# Altium PCB IC_LAB_test.PcbDoc (part 6 of 8)
Units mil, origin at the board's own origin, x right, y up, seen from the top; angles counter-clockwise.
Board outline 9750.75 x 5353.06 mil, 2 copper layers (Top Layer, Bottom Layer); 164 components, 0 nets, 5989 pads, 3214 vias.
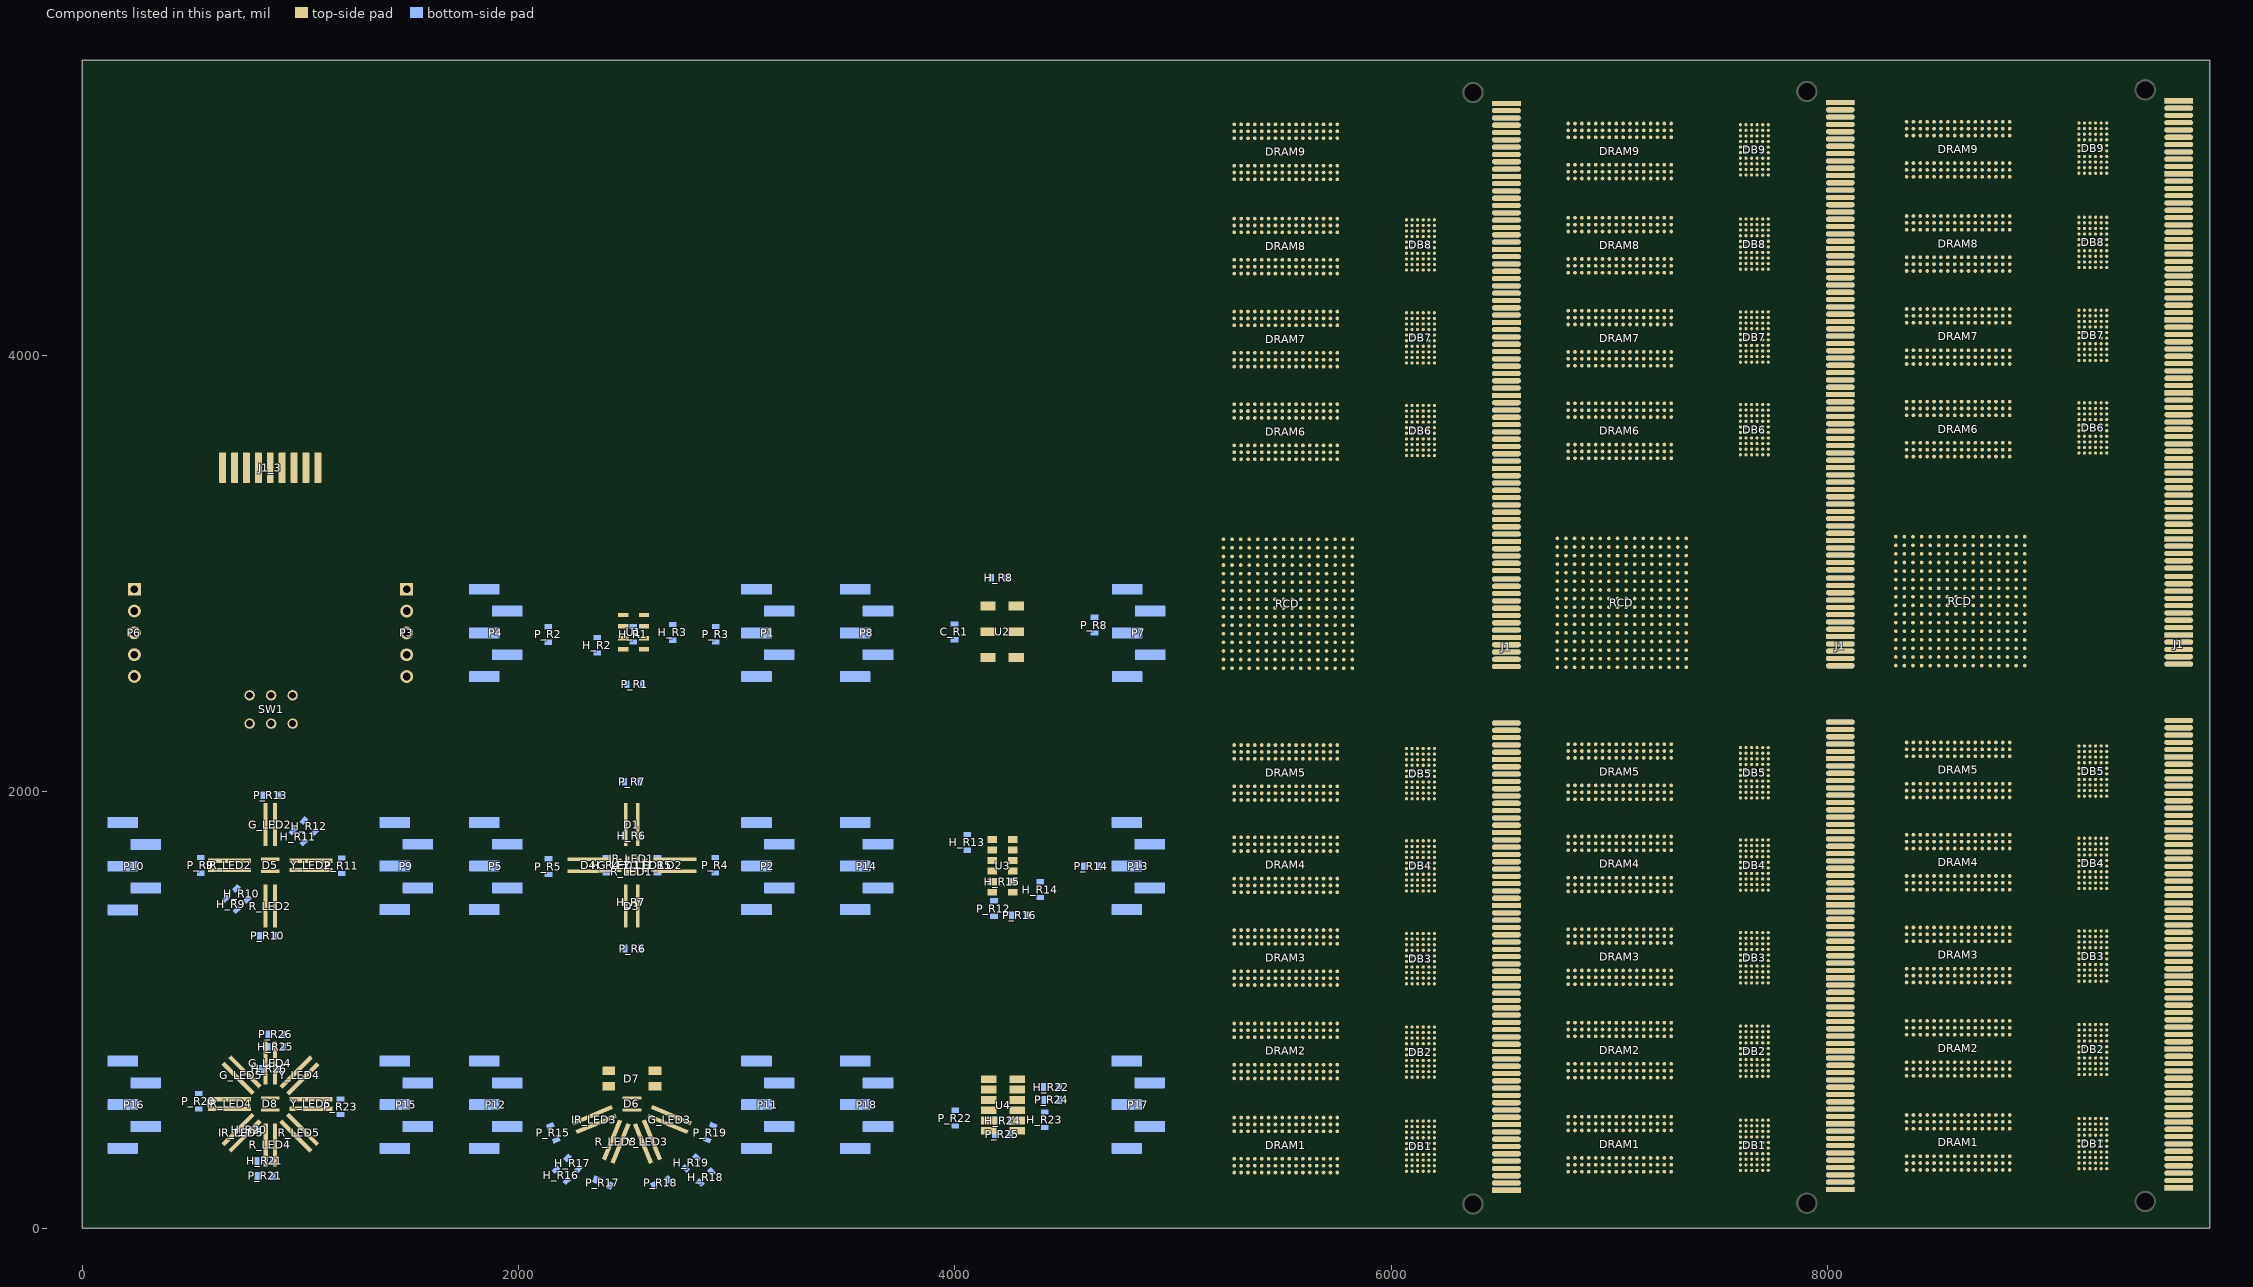
[diagram p6: the components of this part, seen from the top]

## Via types
v1: diameter 17.72, hole 8, Top Layer to Bottom Layer, 2685 vias
v2: diameter 39.37, hole 23.62, Top Layer to Bottom Layer, tented both sides, 414 vias
v3: diameter 23.62, hole 11.81, Top Layer to Bottom Layer, 52 vias
v4: diameter 23.62, hole 11.81, Top Layer to Bottom Layer, tented top, 33 vias
v5: diameter 31.5, hole 15.75, Top Layer to Bottom Layer, 21 vias
v6: diameter 137.8, hole 122.05, Top Layer to Bottom Layer, 3 vias
v7: diameter 78.74, hole 62.99, Top Layer to Bottom Layer, 3 vias
v8: diameter 39.37, hole 19.68, Top Layer to Bottom Layer, 3 vias

## Nets (pads, with @x,y where several pads share a name; then routed paths per layer and width w, separated by ;. In a path a pad name is that pad's centre, name@x,y a point inside that pad or via, vN(x,y) a via of type N, cw(c..) or ccw(c..) an arc to the next point about the centre after c; other vN are vias at no path point) (continued)
copper on no net: (continued)
  Top Layer w15.75: 238.98,2828.35 239.54,2828.35 269.85,2858.66 363.32,2858.66 690.65,3186 690.65,3477.38 698.23,3484.96 ; 238.98,2928.35 269.29,2898.03 347.01,2898.03 651.28,3202.3 651.28,3477.38 643.7,3484.96 ; 278.35,2832.28 278.91,2832.28 309.22,2862.6 402.69,2862.6 730.02,3189.93 730.02,3481.32 737.6,3488.9 ; 278.35,2932.28 308.66,2901.97 386.38,2901.97 690.65,3206.24 690.65,3481.32 683.07,3488.9 ; 732.09,2593.7 700.59,2562.2 ; 771.46,2597.64 739.96,2566.14 ; 861.81,3484.96 861.81,3251.38 896.65,3216.54 896.65,2817.32 669.09,2589.76 669.09,2404.72 716.34,2357.48 820.67,2357.48 865.94,2312.2 ; 862.01,596.46 v4(862.01,620.28) ; 865.94,2442.13 816.73,2392.91 728.15,2392.91 700.59,2420.47 700.59,2562.2 ; 901.18,3488.9 901.18,3255.32 936.02,3220.47 936.02,2821.26 708.46,2593.7 708.46,2408.66 755.71,2361.42 860.04,2361.42 905.31,2316.14 ; 901.38,600.39 901.38,624.21 ; 905.31,2446.06 856.1,2396.85 767.52,2396.85 739.96,2424.41 739.96,2566.14 ; 964.37,2312.2 964.37,2348.26 973.6,2357.48 1110.6,2357.48 1192.72,2439.6 1192.72,2620.2 v5(1193.78,2621.26) ; 964.37,2442.13 964.37,2406.08 973.6,2396.85 1094.29,2396.85 1153.35,2455.91 1153.35,2620.2 v5(1152.28,2621.26) ; 970.87,3484.96 970.87,3249.8 936.02,3214.96 936.02,2801.02 700.59,2562.2 ; 1003.74,2316.14 1003.74,2352.19 1012.97,2361.42 1149.97,2361.42 1232.09,2443.53 1232.09,2624.13 1233.15,2625.2 ; 1003.74,2446.06 1003.74,2410.01 1012.97,2400.79 1133.66,2400.79 1192.72,2459.84 1192.72,2624.13 v5@1191.65,2625.2 ; 1010.24,3488.9 1010.24,3253.74 975.39,3218.9 975.39,2804.95 739.96,2566.14 ; 1025.39,3484.96 1032.97,3477.38 1032.97,3187.96 1362.67,2858.27 1456.13,2858.27 1486.44,2827.95 1487.01,2827.95 ; 1064.76,3488.9 1072.34,3481.32 1072.34,3191.9 1402.04,2862.2 1495.5,2862.2 1525.81,2831.89 1526.38,2831.89 ; 1079.92,3484.96 1072.34,3477.38 1072.34,3204.27 1378.98,2897.64 1456.69,2897.64 1487.01,2927.95 ; 1119.29,3488.9 1111.71,3481.32 1111.71,3208.21 1418.35,2901.57 1496.06,2901.57 1526.38,2931.89 ; v3(2074.98,3016.73) v3@2075.35,3016.36 ; 2075.35,2997.05 2075.35,2950.99 2117.51,2908.84 2133.29,2908.84 2133.66,2908.46 2448.62,2908.46 2507.68,2849.41 2507.68,2837.61 2495.86,2825.79 2495.86,2812.01 2493.89,2810.04 2480.11,2810.04 ; v3@2114.35,3020.67 v3@2114.72,3020.3 ; 2114.72,3000.98 2114.72,2954.93 2156.88,2912.78 2172.66,2912.78 2173.03,2912.4 2487.99,2912.4 2547.05,2853.35 2547.05,2841.55 2535.23,2829.72 2535.23,2815.95 2533.26,2813.98 2519.48,2813.98 ; v3(3643.5,1658.46) 3911.22,1658.46 v4(4135.63,1434.06) ; 3682.87,1662.4 3950.59,1662.4 4175,1437.99 ; v3(3714.37,1945.87) 3714.37,1905.94 3768.93,1851.38 4183.43,1851.38 4198.62,1836.19 4198.62,1797.61 4189.4,1788.39 4178.94,1788.39 4171.06,1780.51 ; v3(3726.18,2976.8) 3726.18,2764.76 3726.18,2740.58 4052.39,2414.37 4183.43,2414.37 4253.74,2484.68 4253.74,2524.61 4344.29,2524.61 4415.16,2595.47 4415.16,2666.34 4348.23,2733.27 4281.3,2733.27 ; v3(3753.74,1945.87) 3753.74,1922.24 3785.24,1890.75 4199.74,1890.75 4237.99,1852.5 4237.99,1797.61 4247.22,1788.39 4257.68,1788.39 4265.55,1780.51 ; v3@3753.74,1949.8 3753.74,1909.87 3808.3,1855.32 4222.8,1855.32 4237.99,1840.13 4237.99,1801.55 4228.77,1792.32 4218.31,1792.32 4210.43,1784.45 ; v3(3765.55,2976.8) 3765.55,2756.89 4068.7,2453.74 4167.13,2453.74 4193.45,2480.06 4193.45,2514.03 4182.87,2524.61 4104.13,2524.61 4037.2,2591.54 4037.2,2682.09 4088.39,2733.27 4151.38,2733.27 ; v3@3765.55,2980.74 3765.55,2768.7 3765.55,2744.52 4091.76,2418.31 4222.8,2418.31 4293.11,2488.61 4293.11,2528.54 4383.66,2528.54 4454.53,2599.41 4454.53,2670.28 4387.6,2737.2 4320.67,2737.2 ; 3793.11,1949.8 3793.11,1926.18 3824.61,1894.69 4239.11,1894.69 4277.36,1856.43 4277.36,1801.55 4286.59,1792.32 4297.05,1792.32 4304.92,1784.45 ; 3804.92,2980.74 3804.92,2760.83 4108.07,2457.68 4206.5,2457.68 4232.82,2484 4232.82,2517.97 4222.24,2528.54 4143.5,2528.54 4076.57,2595.47 4076.57,2686.02 4127.76,2737.2 4190.75,2737.2 ; v4(4088.39,634.84) 4155.32,634.84 4165.16,625 4208.47,625 4236.02,597.44 4275.39,597.44 4285.24,587.6 ; v4(4092.32,2615.16) 4151.38,2615.16 ; v4(4096.26,2851.38) 4151.38,2851.38 v4(4151.38,2918.31) 4190.75,2957.68 4521.46,2957.68 v3(4639.57,2839.57) ; v4(4111.22,1732.48) 4171.06,1732.48 4171.06,1684.13 4265.55,1684.13 ; v4(4112.01,1587.6) 4171.06,1587.6 ; v4(4112.8,1539.57) 4171.06,1539.57 ; 4127.76,638.78 4194.69,638.78 4204.53,628.94 4247.84,628.94 4275.39,601.38 4314.76,601.38 4324.61,591.54 ; 4131.69,2619.09 4190.75,2619.09 ; 4135.63,2855.32 4190.75,2855.32 4190.75,2922.24 4230.12,2961.61 4560.83,2961.61 4678.94,2843.5 ; 4150.59,1736.42 4210.43,1736.42 4210.43,1688.07 4304.92,1688.07 ; 4151.38,1591.54 4210.43,1591.54 ; 4152.17,1543.5 4210.43,1543.5 ; 4171.06,1635.95 4265.55,1635.95 4305.54,1635.95 4329.33,1659.74 4329.33,1712.8 ; 4210.43,1639.88 4304.92,1639.88 4344.91,1639.88 4368.7,1663.67 4368.7,1716.73 ; 4265.55,1539.57 4267.19,1537.92 4323.1,1537.92 v4(4324.61,1536.42) ; 4265.55,1587.6 4265.77,1587.38 4324.82,1587.38 v4(4325.04,1587.17) ; 4265.55,1732.48 4309.65,1732.48 4329.33,1712.8 ; 4281.3,2615.16 v4(4356.1,2615.16) ; 4281.3,2851.38 4331.13,2851.38 4356.1,2876.35 v4(4356.1,2918.31) ; 4304.92,1543.5 4306.56,1541.86 4362.47,1541.86 4363.98,1540.35 ; 4304.92,1591.54 4305.14,1591.32 4364.19,1591.32 4364.41,1591.11 ; 4304.92,1736.42 4349.02,1736.42 4368.7,1716.73 ; 4320.67,2619.09 4395.47,2619.09 ; 4320.67,2855.32 4370.5,2855.32 4395.47,2880.29 4395.47,2922.24 ; v4(4352.17,1815.95) 4329.33,1793.11 4329.33,1712.8 ; 4391.54,1819.88 4368.7,1797.05 4368.7,1716.73
  Top Layer w23.62: 238.98,2528.35 238.98,2628.35 ; 278.35,2532.28 278.35,2632.28 ; 751.62,3483.83 752.76,3484.96 ; 790.99,3487.77 792.13,3488.9 ; v3(1275.59,1864.17) 1276.57,1863.19 v3(1276.57,1625.98) ; v3(1307.09,775.59) 1307.09,563.98 v5(1308.07,562.99) ; 1314.96,1868.11 1315.94,1867.13 1315.94,1629.92 ; 1346.46,779.53 1346.46,567.91 1347.44,566.93 ; v5(2073.82,1690.94) 2073.82,1581.69 2354.33,1301.18 2603.35,1301.18 2894.69,1592.52 v3(2896.65,1592.52) ; 2113.19,1694.88 2113.19,1585.63 2393.7,1305.12 2642.72,1305.12 2934.06,1596.46 2936.02,1596.46 ; v5(2652.56,1270.67) 2676.18,1270.67 2968.5,1562.99 v5(2968.5,1663.39) 2970.47,1665.35 v5(2970.47,1902.56) ; 2691.93,1274.61 2715.55,1274.61 3007.87,1566.93 3007.87,1667.32 3009.84,1669.29 3009.84,1906.5
  Top Layer w31.5: 238.98,2728.35 510.43,2728.35 v8@804.92,3022.83 ; 278.35,2732.28 549.8,2732.28 844.29,3026.77 ; 752.76,3484.96 807.28,3484.96 ; 792.13,3488.9 846.65,3488.9 ; v8@807.28,3025.2 807.28,3469.69 ; 846.65,3029.13 846.65,3473.62 ; 916.34,3484.96 916.34,3289.37 v8(917.13,3288.58) ; 955.71,3488.9 955.71,3293.31 956.5,3292.52 ; v8(1039.17,3024.8) 1336.02,2727.95 1487.01,2727.95 1485.43,2729.53 1484.65,2728.74 ; 1078.54,3028.74 1375.39,2731.89 1526.38,2731.89 1524.8,2733.46 1524.02,2732.68
  Bottom Layer w3.5: v1(5326.44,1913.24) 5326.44,2094.24 5341.44,2109.24 5341.44,2231.24 5356.44,2246.24 5356.44,2731.24 v1(5449.44,2824.24) 5448.94,2824.74 5448.94,2834.74 5314.83,2968.84 5314.83,3463.63 v1(5328.44,3477.24) ; v1(5468.44,3615.24) 5468.45,3468.17 5450.83,3450.55 5450.83,3178.84 5486.44,3143.24 v1(5486.44,3019.24) ; v1(5469.44,2053.24) 5469.44,2133.31 5487.44,2151.31 v1(5487.44,2705.24) ; v1(5485.44,1913.24) 5527.44,1955.24 v1(5527.44,2704.24) ; v1(5485.44,3477.24) 5485.44,3247.24 5527.44,3205.24 v1(5527.44,3020.24) ; v1(5595.44,225.24) v1(5595.44,656.24) 5599.05,659.84 5599.05,779.7 5596.05,782.7 5596.05,1080.63 v1(5594.44,1082.24) 5600.05,1087.84 5600.05,1283.7 5595.44,1288.31 v1(5595.44,1508.24) 5594.71,1508.97 5594.71,1930.97 v1(5594.44,1931.24) 5601.05,1937.84 5601.05,2120.55 5595.83,2125.77 5595.83,2812.63 v1(5605.44,2822.24) 5583.44,2844.24 5583.44,3461.24 5596.44,3474.24 5596.44,3494.24 v1(5595.44,3495.24) 5595.44,3496.24 5625.83,3526.63 5625.83,3615.7 5626.05,3615.92 5626.05,3886.63 v1(5595.44,3917.24) 5627.44,3949.24 5627.44,4312.24 5596.44,4343.24 v1(5595.44,4343.24) 5621.44,4369.24 5621.44,4749.24 v1(5595.44,4775.24) ; v1(5604.44,2862.24) 5604.44,2876.31 5895.76,3167.63 5895.91,3167.63 6074.08,3345.81 6525.09,3345.81 6527.44,3348.15 ; v1(5644.44,2941.24) 5644.44,2960.31 6038.44,3354.31 6294.51,3354.31 6321.82,3381.62 6527.44,3381.62 ; v1(5723.44,2784.24) 5761.44,2822.24 5887.44,2822.24 6112.18,3046.97 6527.44,3046.97 ; v1(5723.44,2861.24) 5739.44,2877.24 5778.44,2877.24 5801.44,2900.24 5831.44,2900.24 6112.03,3180.83 6527.44,3180.83 ; v1(5723.44,2900.24) 5737.37,2900.24 5891.76,3054.63 5895.91,3054.63 6089.04,3247.76 6527.44,3247.76 ; v1(5723.44,2940.24) 5723.44,2951.24 6086.89,3314.69 6527.44,3314.69 ; v1(5724.44,2823.24) 5760.05,2858.84 5853.03,2858.84 6108.08,3113.9 6527.44,3113.9 ; v1(5800.44,2782.24) 5834.44,2816.24 5912.44,2816.24 6109.71,3013.51 6527.44,3013.51 ; v1(5844.44,3048.24) 6077.43,3281.22 6527.44,3281.22 ; v1(5847.44,2970.24) 5851.59,2970.24 6095.65,3214.29 6527.44,3214.29 ; v1(5849.44,2843.24) 6086.64,3080.44 6527.44,3080.44 ; v1(5849.44,2899.24) 5849.44,2901.31 6095.5,3147.36 6527.44,3147.36 ; v1(6227.44,1761.24) 6276.44,1712.24 6527,1712.24 6527.44,1712.68 ; v1(6230.44,2184.24) 6266.83,2147.84 6527.31,2147.84 6527.44,2147.72 ; v1(6234.44,3758.24) 6309.88,3682.8 6527.44,3682.8 ; v1(6234.44,4181.24) 6297.84,4117.84 6527.44,4117.84 ; v1(6234.44,4607.24) 6288.8,4552.88 6527.44,4552.88 ; v1(6235.44,908.24) 6301.08,842.6 6527.44,842.6 ; v1(6237.44,5040.24) 6289.76,4987.92 6527.44,4987.92 ; v1(6238.44,477.24) 6308.12,407.56 6527.44,407.56 ; v1(6238.44,1347.24) 6308.04,1277.64 6527.44,1277.64 ; v1(6263.44,1930.24) 6280.21,1913.47 6527.44,1913.47 ; v1(6264.44,1977.24) 6294.75,1946.93 6527.44,1946.93 ; v1(6265.44,2030.24) 6315.28,1980.4 6527.44,1980.4 ; v1(6265.44,2080.24) 6331.82,2013.86 6527.44,2013.86 ; v1(6267.44,4879.24) 6326.08,4820.59 6527.44,4820.59 ; v1(6267.44,4930.24) 6267.44,4929.16 6342.54,4854.06 6527.44,4854.06 ; v1(6269.44,4777.24) 6293.01,4753.67 6527.44,4753.67 ; v1(6269.44,4827.24) 6309.55,4787.13 6527.44,4787.13 ; v1(6273.44,1496.24) 6291.25,1478.43 6527.44,1478.43 ; v1(6273.44,4340.24) 6295.05,4318.63 6527.44,4318.63 ; v1(6273.44,4442.24) 6330.12,4385.55 6527.44,4385.55 ; v1(6274.44,4391.24) 6313.59,4352.09 6527.44,4352.09 ; v1(6274.44,4493.24) 6300.83,4466.84 6300.83,4466.77 6309.98,4457.63 6310.05,4457.63 6348.66,4419.02 6527.44,4419.02 ; v1(6275.44,1542.24) 6305.79,1511.89 6527.44,1511.89 ; v1(6276.44,1166.24) 6276.44,1164.24 6330.44,1110.24 6527.36,1110.24 6527.44,1110.32 ; v1(6276.44,1220.24) 6352.9,1143.78 6527.44,1143.78 ; v1(6276.44,1594.24) 6325.32,1545.36 6527.44,1545.36 ; v1(6276.44,1644.24) 6341.86,1578.82 6527.44,1578.82 ; v1(6277.44,3588.24) 6350.2,3515.48 6527.44,3515.48 ; v1(6277.44,3909.24) 6303.09,3883.59 6527.44,3883.59 ; v1(6277.44,3961.24) 6321.63,3917.05 6527.44,3917.05 ; v1(6277.44,4013.24) 6340.16,3950.51 6527.44,3950.51 ; v1(6278.44,1113.24) 6314.83,1076.85 6527.44,1076.85 ; v1(6278.44,3536.24) 6332.67,3482.01 6527.44,3482.01 ; v1(6278.44,4064.24) 6358.7,3983.98 6527.44,3983.98 ; v1(6279.44,1065.24) 6301.29,1043.39 6527.44,1043.39 ; v1(6279.44,3484.24) 6315.13,3448.55 6527.44,3448.55 ; v1@6284.44,3633.24 6368.74,3548.94 6527.44,3548.94 ; v1(6287.44,195.24) 6309.37,173.31 6527.44,173.31 ; v1(6287.44,250.24) 6330.91,206.77 6527.44,206.77 ; v1(6287.44,300.24) 6347.44,240.24 6527.44,240.24 ; v1(6287.44,350.24) 6363.98,273.7 6527.44,273.7 ; v1(6287.44,781.24) 6359.94,708.74 6527.44,708.74 ; v1(6288.44,626.24) 6306.33,608.35 6527.44,608.35 ; v1(6288.44,676.24) 6290.44,676.24 6324.87,641.81 6527.44,641.81 ; v1(6288.44,728.24) 6290.44,728.24 6343.44,675.24 6527.4,675.24 6527.44,675.28 ; v1(6310.44,4908.24) 6357.44,4908.24 6378.15,4887.52 6527.44,4887.52 ; v1(6310.44,4934.24) 6379.44,4934.24 6394.44,4919.24 6525.69,4919.24 6527.44,4920.99 ; v1(6316.44,4473.24) 6363.44,4473.24 6384.19,4452.48 6527.44,4452.48 ; v1(6316.44,4498.24) 6385.44,4498.24 6399.44,4484.24 6525.73,4484.24 6527.44,4485.95 ; v1(6326.44,4039.24) 6360.44,4039.24 6382.44,4017.24 6527.23,4017.24 6527.44,4017.44 ; v1(6327.44,2069.24) 6361.44,2069.24 6384.44,2046.24 6526.35,2046.24 6527.44,2047.32 ; v1(6327.44,4067.24) 6328.05,4067.84 6384.91,4067.84 6401.51,4051.24 6527.11,4051.24 6527.44,4050.91 ; v1(6328.44,2097.24) 6400.44,2097.24 6417.44,2080.24 6526.89,2080.24 6527.44,2080.79 ; v1(6328.44,4096.24) 6369.37,4096.24 6372.98,4099.84 6385.91,4099.84 6395.05,4090.7 6395.05,4089.63 6400.3,4084.37 6527.44,4084.37 ; v1(6333.44,3610.24) 6363.51,3610.24 6391.35,3582.4 6527.44,3582.4 ; v1(6333.44,3634.24) 6396.51,3634.24 6415.51,3615.24 6526.81,3615.24 6527.44,3615.87 ; v1(6346.44,1631.24) 6375.51,1631.24 6394.51,1612.24 6527.39,1612.24 6527.44,1612.28 ; v1@6347.44,1659.24 6406.44,1659.24 6420.44,1645.24 6526.93,1645.24 6527.44,1645.75 ; v1(6354.44,1186.24) 6359.05,1190.84 6386.91,1190.84 6401.51,1176.24 6526.43,1176.24 6527.44,1177.25 ; v1(6354.44,1225.24) 6355.05,1225.84 6409.91,1225.84 6425.51,1210.24 6526.97,1210.24 6527.44,1210.71 ; v1(6354.44,4972.24) 6377.44,4972.24 6395.44,4954.24 6527.22,4954.24 6527.44,4954.45 ; v1(6355.44,5039.24) 6378.44,5039.24 6397.44,5020.24 6526.3,5020.24 6527.44,5021.38 ; v1(6357.44,786.24) 6361.05,789.84 6414.91,789.84 6429.51,775.24 6527.01,775.24 6527.44,775.67 ; v1(6358.44,759.24) 6391.44,759.24 6408.47,742.21 6527.44,742.21 ; v1(6358.44,4168.24) 6384.51,4168.24 6402.51,4150.24 6526.37,4150.24 6527.44,4151.3 ; v1(6359.44,4537.24) 6387.44,4537.24 6405.44,4519.24 6527.26,4519.24 6527.44,4519.41 ; v1(6359.44,4608.24) 6380.44,4608.24 6402.33,4586.34 6527.44,4586.34 ; v1(6360.44,2132.24) 6398.51,2132.24 6416.51,2114.24 6527.42,2114.24 ; v1(6360.44,2201.24) 6397.51,2201.24 6417.57,2181.18 6527.44,2181.18 ; v1(6362.44,325.24) 6402.44,325.24 6421.44,306.24 6526.51,306.24 6527.44,307.17 ; v1(6362.44,355.24) 6363.05,355.84 6418.91,355.84 6434.51,340.24 6527.05,340.24 6527.44,340.63 ; v1(6368.44,3728.24) 6371.05,3730.84 6398.91,3730.84 6414.51,3715.24 6526.41,3715.24 6527.44,3716.26 ; v1(6369.44,3669.24) 6400.44,3669.24 6420.44,3649.24 6527.34,3649.24 6527.44,3649.33 ; v1(6372.44,1689.24) 6376.05,1692.84 6405.83,1692.84 6420.44,1678.24 6526.46,1678.24 6527.44,1679.21 ; v1(6372.44,1777.24) 6390.44,1777.24 6423.44,1744.24 6525.53,1744.24 6527.44,1746.14 ; v1(6381.44,1260.24) 6382.05,1260.84 6408.91,1260.84 6425.58,1244.17 6527.44,1244.17 ; v1(6381.44,1329.24) 6406.51,1329.24 6424.65,1311.1 6527.44,1311.1 ; v1(6384.44,824.24) 6413.51,824.24 6431.51,806.24 6524.54,806.24 6527.44,809.13 ; v1(6384.44,892.24) 6415.51,892.24 6432.51,875.24 6526.61,875.24 6527.44,876.06 ; v1(6391.44,453.24) 6394.05,455.84 6417.91,455.84 6432.73,441.02 6527.44,441.02 ; v1(6392.44,390.24) 6395.73,393.52 6419.16,393.52 6437.44,375.24 6526.3,375.24 6527.44,374.09 ; v1(6392.44,490.24) 6417.51,490.24 6433.26,474.49 6527.44,474.49 ; v1(6404.44,5080.24) 6429.83,5054.85 6527.44,5054.85 ; v1(6407.44,4641.24) 6428.87,4619.81 6527.44,4619.81 ; v1(6413.44,2240.24) 6439.03,2214.65 6527.44,2214.65 ; v1(6415.44,4207.24) 6437.91,4184.77 6527.44,4184.77 ; v1(6418.44,3775.24) 6443.95,3749.73 6527.44,3749.73 ; v1(6420.44,1804.24) 6445.07,1779.61 6527.44,1779.61 ; v1(6426.44,1370.24) 6452.11,1344.57 6527.44,1344.57 ; v1(6427.44,932.24) 6450.15,909.53 6527.44,909.53 ; v1(6856.87,1917.17) 6856.87,2098.17 6871.87,2113.17 6871.87,2235.17 6886.87,2250.17 6886.87,2735.17 v1(6979.87,2828.17) 6979.37,2828.67 6979.37,2838.67 6845.27,2972.78 6845.27,3467.57 v1(6858.87,3481.17) ; v1(6998.87,3619.17) 6998.88,3472.1 6981.27,3454.49 6981.27,3182.78 7016.87,3147.17 v1(7016.87,3023.17) ; v1(6999.87,2057.17) 6999.87,2137.25 7017.87,2155.25 v1(7017.87,2709.17) ; v1(7015.87,1917.17) 7057.87,1959.17 v1(7057.87,2708.17) ; v1(7015.87,3481.17) 7015.87,3251.17 7057.87,3209.17 v1(7057.87,3024.17) ; v1(7125.87,229.17) v1(7125.87,660.17) 7129.48,663.78 7129.48,783.64 7126.48,786.64 7126.48,1084.57 v1(7124.87,1086.17) 7130.48,1091.78 7130.48,1287.64 7125.87,1292.25 v1(7125.87,1512.17) 7125.14,1512.91 7125.14,1934.91 v1(7124.87,1935.17) 7131.48,1941.78 7131.48,2124.49 7126.27,2129.71 7126.27,2816.57 v1(7135.87,2826.17) 7113.87,2848.17 7113.87,3465.17 7126.87,3478.17 7126.87,3498.17 v1(7125.87,3499.17) 7125.87,3500.17 7156.27,3530.57 7156.27,3619.64 7156.48,3619.86 7156.48,3890.57 v1(7125.87,3921.17) 7157.87,3953.17 7157.87,4316.17 7126.87,4347.17 v1(7125.87,4347.17) 7151.87,4373.17 7151.87,4753.17 v1(7125.87,4779.17) ; v1(7134.87,2866.17) 7134.87,2880.25 7426.19,3171.57 7426.34,3171.57 7604.52,3349.74 8055.53,3349.74 8057.87,3352.09 ; v1(7174.87,2945.17) 7174.87,2964.25 7568.87,3358.24 7824.94,3358.24 7852.25,3385.55 8057.87,3385.55 ; v1(7253.87,2788.17) 7291.87,2826.17 7417.87,2826.17 7642.61,3050.91 8057.87,3050.91 ; v1(7253.87,2865.17) 7269.87,2881.17 7308.87,2881.17 7331.87,2904.17 7361.87,2904.17 7642.47,3184.77 8057.87,3184.77 ; v1(7253.87,2904.17) 7267.8,2904.17 7422.19,3058.57 7426.34,3058.57 7619.47,3251.7 8057.87,3251.7 ; v1(7253.87,2944.17) 7253.87,2955.17 7617.33,3318.62 8057.87,3318.62 ; v1(7254.87,2827.17) 7290.48,2862.78 7383.46,2862.78 7638.52,3117.84 8057.87,3117.84 ; v1(7330.87,2786.17) 7364.87,2820.17 7442.87,2820.17 7640.14,3017.44 8057.87,3017.44 ; v1(7374.87,3052.17) 7607.86,3285.16 8057.87,3285.16 ; v1(7377.87,2974.17) 7382.02,2974.17 7626.08,3218.23 8057.87,3218.23 ; v1(7379.87,2847.17) 7617.07,3084.37 8057.87,3084.37 ; v1(7379.87,2903.17) 7379.87,2905.25 7625.93,3151.3 8057.87,3151.3 ; v1(7757.87,1765.17) 7806.87,1716.17 8057.43,1716.17 8057.87,1716.62 ; v1(7760.87,2188.17) 7797.27,2151.78 8057.75,2151.78 8057.87,2151.66 ; v1(7764.87,3762.17) 7840.31,3686.74 8057.87,3686.74 ; v1(7764.87,4185.17) 7828.27,4121.77 8057.87,4121.77 ; v1(7764.87,4611.17) 7819.23,4556.81 8057.87,4556.81 ; v1(7765.87,912.17) 7831.51,846.54 8057.87,846.54 ; v1(7767.87,5044.17) 7820.19,4991.85 8057.87,4991.85 ; v1(7768.87,481.17) 7838.55,411.5 8057.87,411.5 ; v1(7768.87,1351.17) 7838.47,1281.58 8057.87,1281.58 ; v1(7793.87,1934.17) 7810.64,1917.4 8057.87,1917.4 ; v1(7794.87,1981.17) 7825.18,1950.87 8057.87,1950.87 ; v1(7795.87,2034.17) 7845.71,1984.33 8057.87,1984.33 ; v1(7795.87,2084.17) 7862.25,2017.8 8057.87,2017.8 ; v1(7797.87,4883.17) 7856.52,4824.53 8057.87,4824.53 ; v1(7797.87,4934.17) 7797.87,4933.1 7872.98,4858 8057.87,4858 ; v1(7799.87,4781.17) 7823.45,4757.6 8057.87,4757.6 ; v1(7799.87,4831.17) 7839.98,4791.07 8057.87,4791.07 ; v1(7803.87,1500.17) 7821.68,1482.36 8057.87,1482.36 ; v1(7803.87,4344.17) 7825.48,4322.56 8057.87,4322.56 ; v1(7803.87,4446.17) 7860.56,4389.49 8057.87,4389.49 ; v1(7804.87,4395.17) 7844.02,4356.03 8057.87,4356.03 ; v1(7804.87,4497.17) 7831.27,4470.78 7831.27,4470.71 7840.41,4461.57 7840.48,4461.57 7879.09,4422.96 8057.87,4422.96 ; v1(7805.87,1546.17) 7836.22,1515.83 8057.87,1515.83 ; v1(7806.87,1170.17) 7806.87,1168.17 7860.87,1114.17 8057.79,1114.17 8057.87,1114.25 ; v1(7806.87,1224.17) 7883.33,1147.72 8057.87,1147.72 ; v1(7806.87,1598.17) 7855.75,1549.29 8057.87,1549.29 ; v1(7806.87,1648.17) 7872.29,1582.76 8057.87,1582.76 ; v1(7807.87,3592.17) 7880.64,3519.41 8057.87,3519.41 ; v1(7807.87,3913.17) 7833.52,3887.52 8057.87,3887.52 ; v1(7807.87,3965.17) 7852.06,3920.99 8057.87,3920.99 ; v1(7807.87,4017.17) 7870.6,3954.45 8057.87,3954.45 ; v1(7808.87,1117.17) 7845.26,1080.79 8057.87,1080.79 ; v1(7808.87,3540.17) 7863.1,3485.95 8057.87,3485.95 ; v1(7808.87,4068.17) 7889.13,3987.92 8057.87,3987.92 ; v1(7809.87,1069.17) 7831.72,1047.32 8057.87,1047.32 ; v1(7809.87,3488.17) 7845.56,3452.48 8057.87,3452.48 ; v1@7814.87,3637.17 7899.17,3552.88 8057.87,3552.88 ; v1(7817.87,199.17) 7839.8,177.24 8057.87,177.24 ; v1(7817.87,254.17) 7861.34,210.71 8057.87,210.71 ; v1(7817.87,304.17) 7877.87,244.17 8057.87,244.17 ; v1(7817.87,354.17) 7894.41,277.64 8057.87,277.64 ; v1(7817.87,785.17) 7890.37,712.68 8057.87,712.68 ; v1(7818.87,630.17) 7836.76,612.28 8057.87,612.28 ; v1(7818.87,680.17) 7820.87,680.17 7855.3,645.75 8057.87,645.75 ; v1(7818.87,732.17) 7820.87,732.17 7873.87,679.17 8057.83,679.17 8057.87,679.21 ; v1(7840.87,4912.17) 7887.87,4912.17 7908.59,4891.46 8057.87,4891.46 ; v1(7840.87,4938.17) 7909.87,4938.17 7924.87,4923.17 8056.12,4923.17 8057.87,4924.93 ; v1(7846.87,4477.17) 7893.87,4477.17 7914.63,4456.42 8057.87,4456.42 ; v1(7846.87,4502.17) 7915.87,4502.17 7929.87,4488.17 8056.16,4488.17 8057.87,4489.89 ; v1(7856.87,4043.17) 7890.87,4043.17 7912.87,4021.17 8057.67,4021.17 8057.87,4021.38 ; v1(7857.87,2073.17) 7891.87,2073.17 7914.87,2050.17 8056.79,2050.17 8057.87,2051.26 ; v1(7857.87,4071.17) 7858.48,4071.78 7915.34,4071.78 7931.95,4055.17 8057.55,4055.17 8057.87,4054.85 ; v1(7858.87,2101.17) 7930.87,2101.17 7947.87,2084.17 8057.32,2084.17 8057.87,2084.73 ; v1(7858.87,4100.17) 7899.8,4100.17 7903.41,4103.78 7916.34,4103.78 7925.48,4094.64 7925.48,4093.57 7930.74,4088.31 8057.87,4088.31 ; v1(7863.87,3614.17) 7893.95,3614.17 7921.78,3586.34 8057.87,3586.34 ; v1(7863.87,3638.17) 7926.95,3638.17 7945.95,3619.17 8057.24,3619.17 8057.87,3619.81 ; v1(7876.87,1635.17) 7905.95,1635.17 7924.95,1616.17 8057.83,1616.17 8057.87,1616.22 ; v1@7877.87,1663.17 7936.87,1663.17 7950.87,1649.17 8057.36,1649.17 8057.87,1649.69 ; v1(7884.87,1190.17) 7889.48,1194.78 7917.34,1194.78 7931.95,1180.17 8056.87,1180.17 8057.87,1181.18 ; v1(7884.87,1229.17) 7885.48,1229.78 7940.34,1229.78 7955.95,1214.17 8057.4,1214.17 8057.87,1214.65 ; v1(7884.87,4976.17) 7907.87,4976.17 7925.87,4958.17 8057.66,4958.17 8057.87,4958.39 ; v1(7885.87,5043.17) 7908.87,5043.17 7927.87,5024.17 8056.73,5024.17 8057.87,5025.32 ; v1(7887.87,790.17) 7891.48,793.78 7945.34,793.78 7959.95,779.17 8057.44,779.17 8057.87,779.61 ; v1(7888.87,763.17) 7921.87,763.17 7938.9,746.14 8057.87,746.14 ; v1(7888.87,4172.17) 7914.95,4172.17 7932.95,4154.17 8056.81,4154.17 8057.87,4155.24 ; v1(7889.87,4541.17) 7917.87,4541.17 7935.87,4523.17 8057.7,4523.17 8057.87,4523.35 ; v1(7889.87,4612.17) 7910.87,4612.17 7932.77,4590.28 8057.87,4590.28 ; v1(7890.87,2136.17) 7928.95,2136.17 7946.95,2118.17 8057.86,2118.17 ; v1(7890.87,2205.17) 7927.95,2205.17 7948,2185.12 8057.87,2185.12 ; v1(7892.87,329.17) 7932.87,329.17 7951.87,310.17 8056.94,310.17 8057.87,311.1 ; v1(7892.87,359.17) 7893.48,359.78 7949.34,359.78 7964.95,344.17 8057.48,344.17 8057.87,344.57 ; v1(7898.87,3732.17) 7901.48,3734.78 7929.34,3734.78 7944.95,3719.17 8056.85,3719.17 8057.87,3720.2 ; v1(7899.87,3673.17) 7930.87,3673.17 7950.87,3653.17 8057.78,3653.17 8057.87,3653.27 ; v1(7902.87,1693.17) 7906.48,1696.78 7936.27,1696.78 7950.87,1682.17 8056.9,1682.17 8057.87,1683.15 ; v1(7902.87,1781.17) 7920.87,1781.17 7953.87,1748.17 8055.97,1748.17 8057.87,1750.08 ; v1(7911.87,1264.17) 7912.48,1264.78 7939.34,1264.78 7956.01,1248.11 8057.87,1248.11 ; v1(7911.87,1333.17) 7936.95,1333.17 7955.08,1315.04 8057.87,1315.04 ; v1(7914.87,828.17) 7943.95,828.17 7961.95,810.17 8054.98,810.17 8057.87,813.07 ; v1(7914.87,896.17) 7945.95,896.17 7962.95,879.17 8057.05,879.17 8057.87,880 ; v1(7921.87,457.17) 7924.48,459.78 7948.34,459.78 7963.16,444.96 8057.87,444.96 ; v1(7922.87,394.17) 7926.16,397.46 7949.59,397.46 7967.87,379.17 8056.73,379.17 8057.87,378.03 ; v1(7922.87,494.17) 7947.95,494.17 7963.7,478.43 8057.87,478.43 ; v1(7934.87,5084.17) 7960.26,5058.78 8057.87,5058.78 ; v1(7937.87,4645.17) 7959.3,4623.74 8057.87,4623.74 ; v1(7943.87,2244.17) 7969.46,2218.58 8057.87,2218.58 ; v1(7945.87,4211.17) 7968.34,4188.7 8057.87,4188.7 ; v1(7948.87,3779.17) 7974.38,3753.66 8057.87,3753.66 ; v1(7950.87,1808.17) 7975.5,1783.54 8057.87,1783.54 ; v1(7956.87,1374.17) 7982.54,1348.51 8057.87,1348.51 ; v1(7957.87,936.17) 7980.58,913.47 8057.87,913.47 ; v1(8408.06,1925.05) 8408.06,2106.05 8423.06,2121.05 8423.06,2243.05 8438.06,2258.05 8438.06,2743.05 v1(8531.06,2836.05) 8530.56,2836.55 8530.56,2846.55 8396.45,2980.66 8396.45,3475.44 v1(8410.06,3489.05) ; v1(8550.06,3627.05) 8550.06,3479.98 8532.45,3462.37 8532.45,3190.66 8568.06,3155.05 v1(8568.06,3031.05) ; v1(8551.06,2065.05) 8551.06,2145.12 8569.06,2163.12 v1(8569.06,2717.05) ; v1(8567.06,1925.05) 8609.06,1967.05 v1(8609.06,2716.05) ; v1(8567.06,3489.05) 8567.06,3259.05 8609.06,3217.05 v1(8609.06,3032.05) ; v1(8677.06,237.05) v1(8677.06,668.05) 8680.66,671.66 8680.66,791.51 8677.66,794.51 8677.66,1092.44 v1(8676.06,1094.05) 8681.66,1099.66 8681.66,1295.51 8677.06,1300.12 v1(8677.06,1520.05) 8676.32,1520.78 8676.32,1942.78 v1(8676.06,1943.05) 8682.66,1949.66 8682.66,2132.37 8677.45,2137.58 8677.45,2824.44 v1(8687.06,2834.05) 8665.06,2856.05 8665.06,3473.05 8678.06,3486.05 8678.06,3506.05 v1(8677.06,3507.05) 8677.06,3508.05 8707.45,3538.44 8707.45,3627.51 8707.66,3627.73 8707.66,3898.44 v1(8677.06,3929.05) 8709.06,3961.05 8709.06,4324.05 8678.06,4355.05 v1(8677.06,4355.05) 8703.06,4381.05 8703.06,4761.05 v1(8677.06,4787.05) ; v1(8686.06,2874.05) 8686.06,2888.12 8977.37,3179.44 8977.52,3179.44 9155.7,3357.62 9606.71,3357.62 9609.06,3359.96 ; v1(8726.06,2953.05) 8726.06,2972.12 9120.05,3366.12 9376.12,3366.12 9403.44,3393.43 9609.06,3393.43 ; v1(8805.06,2796.05) 8843.06,2834.05 8969.06,2834.05 9193.79,3058.78 9609.06,3058.78 ; v1(8805.06,2873.05) 8821.06,2889.05 8860.06,2889.05 8883.06,2912.05 8913.06,2912.05 9193.65,3192.64 9609.06,3192.64 ; v1(8805.06,2912.05) 8818.98,2912.05 8973.37,3066.44 8977.52,3066.44 9170.65,3259.57 9609.06,3259.57 ; v1(8805.06,2952.05) 8805.06,2963.05 9168.51,3326.5 9609.06,3326.5 ; v1(8806.06,2835.05) 8841.66,2870.66 8934.64,2870.66 9189.7,3125.71 9609.06,3125.71 ; v1(8882.06,2794.05) 8916.06,2828.05 8994.06,2828.05 9191.32,3025.32 9609.06,3025.32 ; v1(8926.06,3060.05) 9159.04,3293.03 9609.06,3293.03 ; v1(8929.06,2982.05) 8933.21,2982.05 9177.26,3226.1 9609.06,3226.1 ; v1(8931.06,2855.05) 9168.25,3092.25 9609.06,3092.25 ; v1(8931.06,2911.05) 8931.06,2913.12 9177.11,3159.18 9609.06,3159.18 ; v1(9309.06,1773.05) 9358.06,1724.05 9608.61,1724.05 9609.06,1724.49 ; v1(9312.06,2196.05) 9348.45,2159.66 9608.93,2159.66 9609.06,2159.53 ; v1(9316.06,3770.05) 9391.49,3694.61 9609.06,3694.61 ; v1(9316.06,4193.05) 9379.45,4129.65 9609.06,4129.65 ; v1(9316.06,4619.05) 9370.41,4564.69 9609.06,4564.69 ; v1(9317.06,920.05) 9382.69,854.41 9609.06,854.41 ; v1(9319.06,5052.05) 9371.37,4999.73 9609.06,4999.73 ; v1(9320.06,489.05) 9389.73,419.37 9609.06,419.37 ; v1(9320.06,1359.05) 9389.65,1289.45 9609.06,1289.45 ; v1(9345.06,1942.05) 9361.83,1925.28 9609.06,1925.28 ; v1(9346.06,1989.05) 9376.36,1958.74 9609.06,1958.74 ; v1(9347.06,2042.05) 9396.9,1992.21 9609.06,1992.21 ; v1(9347.06,2092.05) 9413.43,2025.67 9609.06,2025.67 ; v1(9349.06,4891.05) 9407.7,4832.41 9609.06,4832.41 ; v1(9349.06,4942.05) 9349.06,4940.97 9424.16,4865.87 9609.06,4865.87 ; v1(9351.06,4789.05) 9374.63,4765.48 9609.06,4765.48 ; v1(9351.06,4839.05) 9391.16,4798.94 9609.06,4798.94 ; v1(9355.06,1508.05) 9372.86,1490.24 9609.06,1490.24 ; v1(9355.06,4352.05) 9376.67,4330.44 9609.06,4330.44 ; v1(9355.06,4454.05) 9411.74,4397.37 9609.06,4397.37 ; v1(9356.06,4403.05) 9395.2,4363.9 9609.06,4363.9 ; v1(9356.06,4505.05) 9382.45,4478.66 9382.45,4478.58 9391.59,4469.44 9391.66,4469.44 9430.27,4430.83 9609.06,4430.83 ; v1(9357.06,1554.05) 9387.4,1523.7 9609.06,1523.7 ; v1(9358.06,1178.05) 9358.06,1176.05 9412.06,1122.05 9608.98,1122.05 9609.06,1122.13 ; v1(9358.06,1232.05) 9434.51,1155.59 9609.06,1155.59 ; v1(9358.06,1606.05) 9406.94,1557.17 9609.06,1557.17 ; v1(9358.06,1656.05) 9423.47,1590.63 9609.06,1590.63 ; v1(9359.06,3600.05) 9431.82,3527.29 9609.06,3527.29 ; v1(9359.06,3921.05) 9384.71,3895.4 9609.06,3895.4 ; v1(9359.06,3973.05) 9403.24,3928.86 9609.06,3928.86 ; v1(9359.06,4025.05) 9421.78,3962.33 9609.06,3962.33 ; v1(9360.06,1125.05) 9396.44,1088.66 9609.06,1088.66 ; v1(9360.06,3548.05) 9414.28,3493.82 9609.06,3493.82 ; v1(9360.06,4076.05) 9440.31,3995.79 9609.06,3995.79 ; v1(9361.06,1077.05) 9382.9,1055.2 9609.06,1055.2 ; v1(9361.06,3496.05) 9396.75,3460.36 9609.06,3460.36 ; v1@9366.06,3645.05 9450.35,3560.75 9609.06,3560.75 ; v1(9369.06,207.05) 9390.98,185.12 9609.06,185.12 ; v1(9369.06,262.05) 9412.52,218.58 9609.06,218.58 ; v1(9369.06,312.05) 9429.06,252.05 9609.06,252.05 ; v1(9369.06,362.05) 9445.59,285.51 9609.06,285.51 ; v1(9369.06,793.05) 9441.55,720.55 9609.06,720.55 ; v1(9370.06,638.05) 9387.94,620.16 9609.06,620.16 ; v1(9370.06,688.05) 9372.06,688.05 9406.48,653.62 9609.06,653.62 ; v1(9370.06,740.05) 9372.06,740.05 9425.06,687.05 9609.02,687.05 9609.06,687.09 ; v1(9392.06,4920.05) 9439.06,4920.05 9459.77,4899.33 9609.06,4899.33 ; v1(9392.06,4946.05) 9461.06,4946.05 9476.06,4931.05 9607.3,4931.05 9609.06,4932.8 ; v1(9398.06,4485.05) 9445.06,4485.05 9465.81,4464.29 9609.06,4464.29 ; v1(9398.06,4510.05) 9467.06,4510.05 9481.06,4496.05 9607.34,4496.05 9609.06,4497.76 ; v1(9408.06,4051.05) 9442.06,4051.05 9464.06,4029.05 9608.85,4029.05 9609.06,4029.26 ; v1(9409.06,2081.05) 9443.06,2081.05 9466.06,2058.05 9607.97,2058.05 9609.06,2059.14 ; v1(9409.06,4079.05) 9409.66,4079.66 9466.52,4079.66 9483.13,4063.05 9608.73,4063.05 9609.06,4062.72 ; v1(9410.06,2109.05) 9482.06,2109.05 9499.06,2092.05 9608.5,2092.05 9609.06,2092.6 ; v1(9410.06,4108.05) 9450.98,4108.05 9454.59,4111.66 9467.52,4111.66 9476.66,4102.51 9476.66,4101.44 9481.92,4096.18 9609.06,4096.18 ; v1(9415.06,3622.05) 9445.13,3622.05 9472.96,3594.22 9609.06,3594.22 ; v1(9415.06,3646.05) 9478.13,3646.05 9497.13,3627.05 9608.42,3627.05 9609.06,3627.68 ; v1(9428.06,1643.05) 9457.13,1643.05 9476.13,1624.05 9609.01,1624.05 9609.06,1624.1 ; v1@9429.06,1671.05 9488.06,1671.05 9502.06,1657.05 9608.54,1657.05 9609.06,1657.56 ; v1(9436.06,1198.05) 9440.66,1202.66 9468.52,1202.66 9483.13,1188.05 9608.05,1188.05 9609.06,1189.06 ; v1(9436.06,1237.05) 9436.66,1237.66 9491.52,1237.66 9507.13,1222.05 9608.58,1222.05 9609.06,1222.52 ; v1(9436.06,4984.05) 9459.06,4984.05 9477.06,4966.05 9608.84,4966.05 9609.06,4966.26 ; v1(9437.06,5051.05) 9460.06,5051.05 9479.06,5032.05 9607.91,5032.05 9609.06,5033.19 ; v1(9439.06,798.05) 9442.66,801.66 9496.52,801.66 9511.13,787.05 9608.62,787.05 9609.06,787.48 ; v1(9440.06,771.05) 9473.06,771.05 9490.09,754.02 9609.06,754.02 ; v1(9440.06,4180.05) 9466.13,4180.05 9484.13,4162.05 9607.99,4162.05 9609.06,4163.11 ; v1(9441.06,4549.05) 9469.06,4549.05 9487.06,4531.05 9608.88,4531.05 9609.06,4531.22 ; v1(9441.06,4620.05) 9462.06,4620.05 9483.95,4598.15 9609.06,4598.15 ; v1(9442.06,2144.05) 9480.13,2144.05 9498.13,2126.05 9609.04,2126.05 ; v1(9442.06,2213.05) 9479.13,2213.05 9499.18,2192.99 9609.06,2192.99 ; v1(9444.06,337.05) 9484.06,337.05 9503.06,318.05 9608.13,318.05 9609.06,318.98 ; v1(9444.06,367.05) 9444.66,367.66 9500.52,367.66 9516.13,352.05 9608.66,352.05 9609.06,352.44 ; v1(9450.06,3740.05) 9452.66,3742.66 9480.52,3742.66 9496.13,3727.05 9608.03,3727.05 9609.06,3728.07 ; v1(9451.06,3681.05) 9482.06,3681.05 9502.06,3661.05 9608.96,3661.05 9609.06,3661.14 ; v1(9454.06,1701.05) 9457.66,1704.66 9487.45,1704.66 9502.06,1690.05 9608.08,1690.05 9609.06,1691.03 ; v1(9454.06,1789.05) 9472.06,1789.05 9505.06,1756.05 9607.15,1756.05 9609.06,1757.95 ; v1(9463.06,1272.05) 9463.66,1272.66 9490.52,1272.66 9507.19,1255.99 9609.06,1255.99 ; v1(9463.06,1341.05) 9488.13,1341.05 9506.26,1322.91 9609.06,1322.91 ; v1(9466.06,836.05) 9495.13,836.05 9513.13,818.05 9606.16,818.05 9609.06,820.95 ; v1(9466.06,904.05) 9497.13,904.05 9514.13,887.05 9608.23,887.05 9609.06,887.87 ; v1(9473.06,465.05) 9475.66,467.66 9499.52,467.66 9514.34,452.83 9609.06,452.83 ; v1(9474.06,402.05) 9477.34,405.33 9500.77,405.33 9519.06,387.05 9607.91,387.05 9609.06,385.91 ; v1(9474.06,502.05) 9499.13,502.05 9514.88,486.3 9609.06,486.3 ; v1(9486.06,5092.05) 9511.44,5066.66 9609.06,5066.66 ; v1(9489.06,4653.05) 9510.48,4631.62 9609.06,4631.62 ; v1(9495.06,2252.05) 9520.64,2226.46 9609.06,2226.46 ; v1(9497.06,4219.05) 9519.52,4196.58 9609.06,4196.58 ; v1(9500.06,3787.05) 9525.56,3761.54 9609.06,3761.54 ; v1(9502.06,1816.05) 9526.68,1791.42 9609.06,1791.42 ; v1(9508.06,1382.05) 9533.72,1356.38 9609.06,1356.38 ; v1(9509.06,944.05) 9531.76,921.34 9609.06,921.34